# Allegro board 038RT-9068CJK8E-A100_0921.brd (continued)
## Placement (name value [footprint] x y rotation side) (continued)
UNK1R360  NC/898-1-S6-KOA  [R0603]  532.96 35.6 270 bottom
UNK1R361  NC/100-1-S6  [R0603]  532.96 32.17 270 bottom
UNK1R362  0-5-S6  [R0603]  530.42 43.81 90 bottom
UNK1R434  0-5-S4  [R0402]  434.22 216.86 0 bottom
UNK1R438  1K-1-S4  [R0402]  368.45 210.89 0 bottom
UNK1R439  1K-1-S4  [R0402]  360.56 213.04 180 bottom
UNK1R440  1K-1-S4  [R0402]  360.56 214.44 180 bottom
UNK1R441  1K-1-S4  [R0402]  368.45 209.48 0 bottom
UNK1R454  1K-1-S8  [R0805]  408.21 228.03 90 bottom
UNK1R455  1K-1-S8  [R0805]  406.18 228.03 90 bottom
UNK1R456  100K-1-S6  [R0603]  408.75 230.56 0 bottom
UNK1R470  1K-1-S4  [R0402]  618.58 214.77 0 bottom
UNK1R473  1K-1-S4  [R0402]  618.58 210.07 0 bottom
UNK1R474  1K-1-S4  [R0402]  618.58 213.37 0 bottom
UNK1R475  1K-1-S4  [R0402]  618.58 208.67 0 bottom
UNK1R498  1K-1-S8  [R0805]  414.82 228.03 90 bottom
UNK1R499  1K-1-S8  [R0805]  412.78 228.03 90 bottom
UNK1R500  100K-1-S6  [R0603]  415.35 230.56 0 bottom
UNK1R517  1K-1-S8  [R0805]  639.05 200.8 0 top
UNK1R518  1K-1-S8  [R0805]  639.05 202.84 0 top
UNK1R519  100K-1-S6  [R0603]  642.38 201.12 0 top
UNK1R536  1K-1-S8  [R0805]  639.05 196.16 0 top
UNK1R537  1K-1-S8  [R0805]  639.05 198.2 0 top
UNK1R538  100K-1-S6  [R0603]  642.38 196.48 0 top
UNK1R540  NC/120-1-S4  [R0402]  671.81 213.27 180 top
UNK1R541  NC/120-1-S4  [R0402]  678.81 213.27 0 top
UNK1R542  NC/120-1-S4  [R0402]  671.81 232.32 0 top
UNK1R543  NC/120-1-S4  [R0402]  678.81 232.32 0 top
UNK1R548  0-5-S4  [R0402]  574.17 41.41 0 top
UNK1R552  NC/10K-1-S4  [R0402]  580.88 232.42 90 bottom
UNK1R553  NC/0-5-S4  [R0402]  568.18 234.83 90 bottom
UNK1R554  NC/10K-1-S4  [R0402]  565.64 234.83 90 bottom
UNK1R555  NC/0-5-S4  [R0402]  579.61 232.42 90 bottom
UNK1R556  NC/0-5-S4  [R0402]  566.91 234.83 90 bottom
UNK1R557  NC/0-5-S4  [R0402]  559.29 234.83 90 bottom
UNK1R558  NC/0-5-S4  [R0402]  564.37 234.83 90 bottom
UNK1R559  NC/0-5-S4  [R0402]  563.1 234.83 90 bottom
UNK1R560  NC/0-5-S4  [R0402]  566.91 232.42 90 bottom
UNK1R561  NC/0-5-S4  [R0402]  568.18 232.42 90 bottom
UNK1R562  NC/0-5-S4  [R0402]  564.37 232.42 90 bottom
UNK1R563  NC/10K-1-S4  [R0402]  569.45 234.83 90 bottom
UNK1R564  NC/10K-1-S4  [R0402]  570.72 234.83 90 bottom
UNK1R565  NC/10K-1-S4  [R0402]  571.99 234.83 90 bottom
UNK1R566  NC/10K-1-S4  [R0402]  573.26 234.83 90 bottom
UNK1R567  NC/0-5-S4  [R0402]  560.56 234.83 90 bottom
UNK1R568  NC/10K-1-S4  [R0402]  592.31 232.42 270 bottom
UNK1R569  NC/10K-1-S4  [R0402]  589.77 232.42 270 bottom
UNK1R570  NC/10K-1-S4  [R0402]  587.23 232.42 270 bottom
UNK1R571  NC/10K-1-S4  [R0402]  591.04 232.42 270 bottom
UNK1R572  NC/10K-1-S4  [R0402]  582.15 232.42 270 bottom
UNK1R573  NC/10K-1-S4  [R0402]  565.64 232.42 270 bottom
UNK1R574  NC/10K-1-S4  [R0402]  573.26 232.42 270 bottom
UNK1R575  NC/10K-1-S4  [R0402]  571.99 232.42 270 bottom
UNK1R576  NC/10K-1-S4  [R0402]  570.72 232.42 270 bottom
UNK1R577  NC/10K-1-S4  [R0402]  569.45 232.42 270 bottom
UNK1R578  0-1-S4-YA  [R0402]  619.3 192.1 270 bottom
UNK1R579  0-1-S4-YA  [R0402]  620.57 192.1 270 bottom
UNK1R580  0-1-S4-YA  [R0402]  594.85 232.42 90 bottom
UNK1R581  0-1-S4-YA  [R0402]  597.39 234.83 90 bottom
UNK1R582  0-1-S4-YA  [R0402]  597.39 232.42 90 bottom
UNK1R583  0-1-S4-YA  [R0402]  596.12 234.83 90 bottom
UNK1R584  0-1-S4-YA  [R0402]  578.34 232.42 270 bottom
UNK1R586  0-5-S25  [R2512]  590.97 44.12 90 top
UNK1RB7  54.9K-1-S4  [R0402]  574.17 38.87 0 top
UNK1RB8  100K-1-S4  [R0402]  574.17 37.6 180 top
UNK1RD11  0-5-SB  [R1210]  363.19 58.23 180 top
UNK1RD21  0-5-SB  [R1210]  358.11 58.23 0 top
UNK1RD32  0-5-S8  [R0805]  390.38 202.71 90 bottom
UNK1RD42  0-5-S8  [R0805]  415.13 185.36 180 bottom
UNK1RD43  0-5-S8  [R0805]  411.09 181.7 180 bottom
UNK1RD62  0-5-S8  [R0805]  395.6 187.39 0 bottom
UNK1RD64  0-5-S8  [R0805]  395.6 185.36 180 bottom
UNK1RD72  0-5-S8  [R0805]  411.09 187.42 180 bottom
UNK1RD73  0-5-S6  [R0603]  436.09 203.99 0 bottom
UNK1RD74  0-5-S6  [R0603]  429.74 203.99 0 bottom
UNK1RD75  0-5-S6  [R0603]  436.09 198.91 0 bottom
UNK1RD76  0-5-S6  [R0603]  429.74 198.91 0 bottom
UNK1RD77  0-5-S6  [R0603]  436.09 206.53 0 bottom
UNK1RD78  0-5-S6  [R0603]  436.09 201.45 0 bottom
UNK1RD79  0-5-S6  [R0603]  565.51 52.49 270 bottom
UNK1RD80  0-5-S6  [R0603]  555.35 52.49 270 bottom
UNK1RD81  0-5-S6  [R0603]  344.46 221.13 180 bottom
UNK1RD82  0-5-S6  [R0603]  540.51 223.4 180 bottom
UNK1RD83  0-5-S6  [R0603]  540.51 224.93 180 bottom
UNK1RD84  0-5-S6  [R0603]  344.46 210.11 180 bottom
UNK1RD85  0-5-S6  [R0603]  344.46 224.33 180 bottom
UNK1RD86  0-5-S6  [R0603]  344.46 217.91 180 bottom
UNK1RD87  0-5-S6  [R0603]  432.91 203.99 0 bottom
UNK1RD88  0-5-S6  [R0603]  429.74 201.45 0 bottom
UNK1RD89  0-5-S6  [R0603]  432.91 198.91 0 bottom
UNK1RD90  0-5-S6  [R0603]  429.74 209.07 0 bottom
UNK1RD92  0-5-S6  [R0603]  432.91 201.45 0 bottom
UNK1RD95  0-5-S6  [R0603]  432.91 206.53 0 bottom
UNK1RD96  0-5-S6  [R0603]  436.09 209.07 0 bottom
UNK1RD97  0-5-S6  [R0603]  432.91 209.07 180 bottom
UNK1RD98  0-5-S6  [R0603]  344.46 227.46 180 bottom
UNK1RD99  0-5-S6  [R0603]  344.46 230.66 180 bottom
UNK1RD100  0-5-S6  [R0603]  429.74 206.53 0 bottom
UNK1RD101  0-5-S6  [R0603]  344.46 213.31 180 bottom
UNK1RD178  0-5-S6  [R0603]  344.46 206.2 180 bottom
UNK1RD179  0-5-S6  [R0603]  344.46 203 180 bottom
UNK1RD180  NC/0-5-S6  [R0603]  560.21 229.1 0 bottom
UNK1RD181  NC/0-5-S6  [R0603]  560.21 227.58 0 bottom
UNK1RG1  0-5-SB  [R1210]  631.81 208.61 90 top
UNK1RG21  0-5-S4  [R0402]  561.83 234.83 90 bottom
UNK1RG22  0-5-S4  [R0402]  563.1 232.42 90 bottom
UNK1RG32  0-5-S8  [R0805]  594.49 221.65 0 bottom
UNK1RG42  0-5-S8  [R0805]  579.2 196.39 90 bottom
UNK1RG64  0-5-S8  [R0805]  577.13 215.41 90 bottom
UNK1RG72  0-5-S8  [R0805]  579.2 200.42 90 bottom
UNK1RG73  0-5-S6  [R0603]  627.43 191.66 0 bottom
UNK1RG74  0-5-S6  [R0603]  627.43 189.76 0 bottom
UNK1RG75  0-5-S6  [R0603]  627.43 185.95 0 bottom
UNK1RG76  0-5-S6  [R0603]  627.43 184.04 0 bottom
UNK1RG77  0-5-S6  [R0603]  627.43 193.59 0 bottom
UNK1RG78  0-5-S6  [R0603]  627.43 187.85 0 bottom
UNK1RH13  4.7K-1-S6  [R0603]  394.3 49.97 270 bottom
UNK1RH23  4.7K-1-S6  [R0603]  456.31 49.97 270 bottom
UNK1RH112  0-5-S4  [R0402]  388.93 47.24 270 bottom
UNK1RH113  10K-1-S6  [R0603]  387.53 44.7 270 bottom
UNK1RH114  10K-1-S6  [R0603]  386.01 44.7 270 bottom
UNK1RH116  0-5-SB  [R1210]  420.56 44.29 270 bottom
UNK1RH118  NC/0-5-S4  [R0402]  398.96 26.42 90 bottom
UNK1RH119  NC/0-5-S4  [R0402]  400.23 26.42 90 bottom
UNK1RH121  47K-1-S4  [R0402]  372.03 47.76 0 top
UNK1RH122  47K-1-S4  [R0402]  373.8 20.59 90 top
UNK1RH123  NC/0-5-S4  [R0402]  401.5 26.42 90 bottom
UNK1RH129  NC/0-5-S4  [R0402]  403.56 37.72 90 bottom
UNK1RH130  0-5-S4  [R0402]  408.96 31.47 270 bottom
UNK1RH132  0-5-S4  [R0402]  410.23 31.47 270 bottom
UNK1RH151  0-5-S4  [R0402]  394.01 47.24 270 bottom
UNK1RH152  NC/0-5-S4  [R0402]  371.26 17.53 270 bottom
UNK1RH161  0-5-S4  [R0402]  394.01 44.7 270 bottom
UNK1RH162  NC/0-5-S4  [R0402]  373.8 17.53 270 bottom
UNK1RH171  4.7K-1-S6  [R0603]  392.74 47.24 270 bottom
UNK1RH172  NC/0-5-S4  [R0402]  392.74 44.7 270 bottom
UNK1RH181  0-5-S4  [R0402]  391.47 47.24 270 bottom
UNK1RH182  NC/0-5-S4  [R0402]  376.34 17.53 270 bottom
UNK1RH191  0-5-S4  [R0402]  391.47 44.7 270 bottom
UNK1RH192  NC/0-5-S4  [R0402]  378.88 17.53 90 bottom
UNK1RH212  0-5-S4  [R0402]  450.94 47.24 270 bottom
UNK1RH213  10K-1-S6  [R0603]  449.54 44.7 270 bottom
UNK1RH214  10K-1-S6  [R0603]  448.02 44.7 270 bottom
UNK1RH216  0-5-SB  [R1210]  482.57 44.29 270 bottom
UNK1RH218  NC/0-5-S4  [R0402]  460.97 26.42 90 bottom
UNK1RH219  NC/0-5-S4  [R0402]  462.24 26.42 90 bottom
UNK1RH221  47K-1-S4  [R0402]  434.04 47.76 0 top
UNK1RH222  47K-1-S4  [R0402]  435.81 20.59 90 top
UNK1RH223  NC/0-5-S4  [R0402]  463.51 26.42 90 bottom
UNK1RH229  NC/0-5-S4  [R0402]  465.57 37.72 90 bottom
UNK1RH230  0-5-S4  [R0402]  470.97 31.47 270 bottom
UNK1RH232  0-5-S4  [R0402]  472.24 31.47 270 bottom
UNK1RH251  0-5-S4  [R0402]  456.02 47.24 270 bottom
UNK1RH252  NC/0-5-S4  [R0402]  429.46 17.53 270 bottom
UNK1RH261  0-5-S4  [R0402]  456.02 44.7 270 bottom
UNK1RH262  NC/0-5-S4  [R0402]  432 17.53 270 bottom
UNK1RH271  4.7K-1-S6  [R0603]  454.75 47.24 270 bottom
UNK1RH272  NC/0-5-S4  [R0402]  454.75 44.7 270 bottom
UNK1RH281  0-5-S4  [R0402]  453.48 47.24 270 bottom
UNK1RH282  NC/0-5-S4  [R0402]  434.54 17.53 270 bottom
UNK1RH291  0-5-S4  [R0402]  453.48 44.7 270 bottom
UNK1RH292  NC/0-5-S4  [R0402]  437.08 17.53 90 bottom
UNK1RH1101  NC/0-5-S4  [R0402]  390.2 44.7 270 bottom
UNK1RH1102  0-5-S4  [R0402]  388.93 44.7 270 bottom
UNK1RH1103  10K-1-S6  [R0603]  390.2 47.24 270 bottom
UNK1RH1104  NC/0-5-S4  [R0402]  381.42 17.53 90 bottom
UNK1RH1182  NC/0-5-S4  [R0402]  404.28 17.53 90 bottom
UNK1RH1192  NC/0-5-S4  [R0402]  406.82 17.53 90 bottom
UNK1RH1232  NC/0-5-S4  [R0402]  409.36 17.53 90 bottom
UNK1RH1241  NC/0-5-S4  [R0402]  402.77 26.42 90 bottom
UNK1RH1242  47K-1-S4  [R0402]  374.3 47.76 0 top
UNK1RH1243  NC/0-5-S4  [R0402]  411.9 17.53 90 bottom
UNK1RH1261  10K-1-S6  [R0603]  404.04 23.88 270 bottom
UNK1RH1262  0-5-S4  [R0402]  404.04 26.42 270 bottom
UNK1RH1263  NC/0-5-S4  [R0402]  414.44 17.53 90 bottom
UNK1RH1271  10K-1-S6  [R0603]  405.56 23.88 270 bottom
UNK1RH1272  0-5-S4  [R0402]  405.56 26.42 270 bottom
UNK1RH1273  NC/0-5-S4  [R0402]  416.98 17.53 90 bottom
UNK1RH1281  10K-1-S6  [R0603]  407.09 23.88 270 bottom
UNK1RH1282  0-5-S4  [R0402]  407.09 26.42 270 bottom
UNK1RH1283  NC/0-5-S4  [R0402]  391.58 17.53 90 bottom
UNK1RH1511  12K-1-S4  [R0402]  407.49 44.18 180 bottom
UNK1RH2101  NC/0-5-S4  [R0402]  452.21 44.7 270 bottom
UNK1RH2102  0-5-S4  [R0402]  450.94 44.7 270 bottom
UNK1RH2103  10K-1-S6  [R0603]  452.21 47.24 270 bottom
UNK1RH2104  NC/0-5-S4  [R0402]  439.62 17.53 90 bottom
UNK1RH2182  NC/0-5-S4  [R0402]  466.29 17.53 90 bottom
UNK1RH2192  NC/0-5-S4  [R0402]  468.83 17.53 90 bottom
UNK1RH2232  NC/0-5-S4  [R0402]  471.37 17.53 90 bottom
UNK1RH2241  NC/0-5-S4  [R0402]  464.78 26.42 90 bottom
UNK1RH2242  47K-1-S4  [R0402]  436.31 47.76 0 top
UNK1RH2243  NC/0-5-S4  [R0402]  473.91 17.53 90 bottom
UNK1RH2261  10K-1-S6  [R0603]  466.05 23.88 270 bottom
UNK1RH2262  0-5-S4  [R0402]  466.05 26.42 270 bottom
UNK1RH2263  NC/0-5-S4  [R0402]  476.45 17.53 90 bottom
UNK1RH2271  10K-1-S6  [R0603]  467.57 23.88 270 bottom
UNK1RH2272  0-5-S4  [R0402]  467.57 26.42 270 bottom
UNK1RH2273  NC/0-5-S4  [R0402]  478.99 17.53 90 bottom
UNK1RH2281  10K-1-S6  [R0603]  469.1 23.88 270 bottom
UNK1RH2282  0-5-S4  [R0402]  469.1 26.42 270 bottom
UNK1RH2283  NC/0-5-S4  [R0402]  453.59 17.53 90 bottom
UNK1RH2511  12K-1-S4  [R0402]  469.49 44.18 180 bottom
UNK1RHPC1  0-5-S25  [R2512]  425.71 26.59 90 bottom
UNK1RL15  NC/3.9K-1-S4  [R0402]  665.59 229.49 90 bottom
UNK1RL16  10K-1-S4  [R0402]  666.73 227.46 270 bottom
UNK1RL18  10K-1-S4  [R0402]  640.24 222.97 90 bottom
UNK1RL21  10K-1-S4  [R0402]  546.21 191.66 180 bottom
UNK1RL38  NC/3.9K-1-S4  [R0402]  549.58 214.05 180 bottom
UNK1RL39  10K-1-S4  [R0402]  549.08 207.57 90 bottom
UNK1RL42  10K-1-S4  [R0402]  437.56 192.76 225 bottom
UNK1RL44  10K-1-S4  [R0402]  460.46 193.12 180 bottom
UNK1RR400  0-5-S6  [R0603]  493.23 229.61 180 bottom
UNK1RR401  0-5-S6  [R0603]  508.99 231.14 180 bottom
UNK1RR402  0-5-S6  [R0603]  524.75 218.72 180 bottom
UNK1RR403  0-5-S6  [R0603]  508.99 218.72 180 bottom
UNK1RR404  0-5-S6  [R0603]  508.99 229.61 180 bottom
UNK1RR405  0-5-S6  [R0603]  493.23 231.14 180 bottom
UNK1RR406  0-5-S6  [R0603]  508.99 217.19 180 bottom
UNK1RR407  0-5-S6  [R0603]  508.99 223.4 180 bottom
UNK1RR408  0-5-S6  [R0603]  524.75 231.14 180 bottom
UNK1RR409  0-5-S6  [R0603]  524.75 229.61 180 bottom
UNK1RR410  0-5-S6  [R0603]  524.75 224.93 180 bottom
UNK1RR411  0-5-S6  [R0603]  524.75 223.4 180 bottom
UNK1RR412  0-5-S6  [R0603]  508.99 224.93 180 bottom
UNK1RR413  0-5-S6  [R0603]  524.75 217.19 180 bottom
UNK1RR500  0-1-S2-YA  [R0201]  592.43 182.31 90 bottom
UNK1RR501  0-1-S2-YA  [R0201]  590.4 182.31 90 bottom
UNK1RR502  0-1-S2-YA  [R0201]  594.46 182.31 90 bottom
UNK1RR503  0-1-S2-YA  [R0201]  596.49 182.31 90 bottom
UNK1RR504  0-1-S2-YA  [R0201]  586.33 182.31 90 bottom
UNK1RR505  0-1-S2-YA  [R0201]  588.37 182.31 90 bottom
UNK1RR510  0-1-S2-YA  [R0201]  592.43 181.1 270 bottom
UNK1RR511  0-1-S2-YA  [R0201]  590.4 181.1 270 bottom
UNK1RR512  0-1-S2-YA  [R0201]  594.46 181.1 270 bottom
UNK1RR513  0-1-S2-YA  [R0201]  596.49 181.1 270 bottom
UNK1RR514  0-1-S2-YA  [R0201]  586.33 181.1 270 bottom
UNK1RR515  0-1-S2-YA  [R0201]  588.37 181.1 270 bottom
UNK1RR520  0-1-S2-YA  [R0201]  440.62 220.64 0 bottom
UNK1RR521  0-1-S2-YA  [R0201]  436.81 224.7 0 bottom
UNK1RR522  0-1-S2-YA  [R0201]  440.62 218.61 0 bottom
UNK1RR523  0-1-S2-YA  [R0201]  436.81 222.67 0 bottom
UNK1RR524  0-1-S2-YA  [R0201]  440.62 224.7 0 bottom
UNK1RR525  0-1-S2-YA  [R0201]  440.62 226.73 0 bottom
UNK1RR530  0-1-S2-YA  [R0201]  439.41 220.64 180 bottom
UNK1RR531  0-1-S2-YA  [R0201]  435.6 224.7 180 bottom
UNK1RR532  0-1-S2-YA  [R0201]  439.41 218.61 180 bottom
UNK1RR533  0-1-S2-YA  [R0201]  435.6 222.67 180 bottom
UNK1RR534  0-1-S2-YA  [R0201]  439.41 224.7 180 bottom
UNK1RR535  0-1-S2-YA  [R0201]  439.41 226.73 180 bottom
UNK1RR900  0-1-S2-YA  [R0201]  602.59 182.31 90 bottom
UNK1RR901  0-1-S2-YA  [R0201]  600.56 182.31 90 bottom
UNK1RR902  0-1-S2-YA  [R0201]  584.3 182.31 90 bottom
UNK1RR903  0-1-S2-YA  [R0201]  598.53 182.31 90 bottom
UNK1RR904  0-1-S2-YA  [R0201]  606.65 182.31 90 bottom
UNK1RR905  0-1-S2-YA  [R0201]  604.62 182.31 90 bottom
UNK1RR910  0-1-S2-YA  [R0201]  602.59 181.1 270 bottom
UNK1RR911  0-1-S2-YA  [R0201]  600.56 181.1 270 bottom
UNK1RR912  0-1-S2-YA  [R0201]  584.3 181.1 270 bottom
UNK1RR913  0-1-S2-YA  [R0201]  598.53 181.1 270 bottom
UNK1RR914  0-1-S2-YA  [R0201]  606.65 181.1 270 bottom
UNK1RR915  0-1-S2-YA  [R0201]  604.62 181.1 270 bottom
UNK1RR920  0-1-S2-YA  [R0201]  574.97 192.56 90 bottom
UNK1RR921  0-1-S2-YA  [R0201]  436.81 220.64 0 bottom
UNK1RR922  0-1-S2-YA  [R0201]  436.81 218.61 0 bottom
UNK1RR923  0-1-S2-YA  [R0201]  436.81 228.77 0 bottom
UNK1RR924  0-1-S2-YA  [R0201]  436.81 226.73 0 bottom
UNK1RR925  0-1-S2-YA  [R0201]  440.62 222.67 0 bottom
UNK1RR930  0-1-S2-YA  [R0201]  574.97 191.35 270 bottom
UNK1RR931  0-1-S2-YA  [R0201]  435.6 220.64 180 bottom
UNK1RR932  0-1-S2-YA  [R0201]  435.6 218.61 180 bottom
UNK1RR933  0-1-S2-YA  [R0201]  435.6 228.77 180 bottom
UNK1RR934  0-1-S2-YA  [R0201]  435.6 226.73 180 bottom
UNK1RR935  0-1-S2-YA  [R0201]  439.41 222.67 180 bottom
UNK1RRG49  10K-1-S4  [R0402]  596.12 232.42 90 bottom
UNK1RRG51  10K-1-S4  [R0402]  541.08 198.54 270 bottom
UNK1RRG52  NC/10K-1-S4  [R0402]  539.94 198.54 270 bottom
UNK1RRG53  10K-1-S4  [R0402]  541.08 200.83 90 bottom
UNK1RRG54  NC/10K-1-S4  [R0402]  539.94 200.83 90 bottom
UNK1RRG55  NC/10K-1-S4  [R0402]  541.08 204.89 270 bottom
UNK1RRG56  10K-1-S4  [R0402]  539.94 204.89 270 bottom
UNK1RRG57  NC/10K-1-S4  [R0402]  541.08 207.18 90 bottom
UNK1RRG58  10K-1-S4  [R0402]  539.94 207.18 90 bottom
UNK1RRG59  10K-1-S4  [R0402]  588 177.18 180 top
UNK1RRG91  10K-1-S4  [R0402]  541.08 185.84 270 bottom
UNK1RRG92  NC/10K-1-S4  [R0402]  539.94 185.84 270 bottom
UNK1RRG93  NC/10K-1-S4  [R0402]  541.08 188.13 90 bottom
UNK1RRG94  10K-1-S4  [R0402]  539.94 188.13 90 bottom
UNK1RRG95  NC/10K-1-S4  [R0402]  541.08 192.19 270 bottom
UNK1RRG96  10K-1-S4  [R0402]  539.94 192.19 270 bottom
UNK1RS5  NC/0-5-S4  [R0402]  384.34 209.36 90 bottom
UNK1RS6  100K-1-S4  [R0402]  576.39 36.33 180 top
UNK1RS7  0-5-SB  [R1210]  580.84 42.68 270 top
UNK1RS9  0-5-SB  [R1210]  580.2 35.06 180 top
UNK1RS11  NC/0-5-S4  [R0402]  420.57 182.4 90 bottom
UNK1RS104  10K-1-S4  [R0402]  440.57 47.76 180 bottom
UNK1RS114  10K-1-S4  [R0402]  438.44 47.76 0 bottom
UNK1RSG104  10K-1-S4  [R0402]  559.29 232.42 90 bottom
UNK1RSG105  10K-1-S4  [R0402]  577.07 234.83 90 bottom
UNK1RSG114  10K-1-S4  [R0402]  560.56 232.42 90 bottom
UNK1RSG115  10K-1-S4  [R0402]  577.07 232.42 270 bottom
UNK1RU11  4.7K-1-S4-WA  [R0402]  666.73 229.49 270 bottom
UNK1RU12  0-1-S4-YA  [R0402]  666.73 223.9 270 bottom
UNK1SPIH11  MX25L3233FM2I-08G-C-SO8/SK-SO8-1.27  [SK_SO8_1P27MM_LOTES]  373.17 34.42 180 top
UNK1SPIH21  MX25L3233FM2I-08G-C-SO8/SK-SO8-1.27  [SK_SO8_1P27MM_LOTES]  435.18 34.42 180 top
UNK1ST01  SHORT  [DEFAULT_SHORT_SMALL]  422.59 32.9 270 bottom
UNK1ST1  SHORT  [DEFAULT_SHORT_SMALL]  408.82 182.04 270 bottom
UNK1ST2  SHORT  [DEFAULT_SHORT_SMALL]  362.92 38.96 0 top
UNK1ST3  SHORT  [DEFAULT_SHORT_SMALL]  414.11 193.2 0 bottom
UNK1ST5  SHORT  [DEFAULT_SHORT_SMALL]  387.57 208.86 180 bottom
UNK1ST6  SHORT  [DEFAULT_SHORT_SMALL]  398.7 182.25 270 bottom
UNK1STB00  SHORT  [DEFAULT_SHORT_SMALL]  420.18 143.62 90 top
UNK1STB64  SHORT  [DEFAULT_SHORT_SMALL]  420.18 335.55 90 top
UNK1STG01  SHORT  [DEFAULT_SHORT_SMALL]  423.86 32.9 270 bottom
UNK1STG1  SHORT  [DEFAULT_SHORT_SMALL]  407.98 182.02 270 bottom
UNK1STG2  SHORT  [DEFAULT_SHORT_SMALL]  362.94 40.03 0 top
UNK1STG3  SHORT  [DEFAULT_SHORT_SMALL]  414.11 194.22 0 bottom
UNK1STG5  SHORT  [DEFAULT_SHORT_SMALL]  387.57 209.62 180 bottom
UNK1STG6  SHORT  [DEFAULT_SHORT_SMALL]  397.86 182.22 270 bottom
UNK1SWR1  SY8003EDFC-3A-A-DFN2X2-8  [DFN2X2_8P_1P9X0P5MM_EP]  576.71 39.18 0 top
UNK1T2  ACT1210L-201-2P-TL00  [FILTER_4P_9075AA]  625.78 220.13 180 top
UNK1T3  ACT1210L-201-2P-TL00  [FILTER_4P_9075AA]  625.78 225.34 180 top
UNK1T7  ACT1210L-201-2P-TL00  [FILTER_4P_9075AA]  368.28 206.12 0 bottom
UNK1T8  ACT1210L-201-2P-TL00  [FILTER_4P_9075AA]  360.73 202.57 180 bottom
UNK1T12  7490100161A  [TRANS_7490100161A_16P]  636.62 133.43 0 top
UNK1T13  7490100161A  [TRANS_7490100161A_16P]  636.62 113.89 0 top
UNK1T15  ACT1210L-201-2P-TL00  [FILTER_4P_9075AA]  360.73 210.19 180 bottom
UNK1T17  ACT1210L-201-2P-TL00  [FILTER_4P_9075AA]  368.28 213.74 0 bottom
UNK1T18  ACT1210G-800-2P-TL05  [FILTER_4P_9075AA]  407.19 219.69 270 bottom
UNK1T20  ACT1210L-201-2P-TL00  [FILTER_4P_9075AA]  610.98 209.42 180 bottom
UNK1T21  ACT1210L-201-2P-TL00  [FILTER_4P_9075AA]  610.98 214.12 180 bottom
UNK1T23  ACT1210G-800-2P-TL05  [FILTER_4P_9075AA]  413.8 219.69 270 bottom
UNK1T24  ACT1210G-800-2P-TL05  [FILTER_4P_9075AA]  630.71 201.82 180 top
UNK1T25  ACT1210G-800-2P-TL05  [FILTER_4P_9075AA]  630.71 197.18 180 top
UNK1U6  CU/PI2LVD512AE-TSSOP64  [TSOP64_280X05MM]  655.18 41.78 180 bottom
UNK1U17  CU/PI2LVD512AE-TSSOP64  [TSOP64_280X05MM]  665.65 114.81 0 bottom
UNK1U18  CU/PI2LVD512AE-TSSOP64  [TSOP64_280X05MM]  665.65 95.76 0 bottom
UNK1Y6  XTAL25M-S2520-AKER-20P  [XTAL_2X2P5MM_4P_NDK]  605.52 191.43 180 bottom
UNK1Y7  XTAL25M-S2520-AKER-20P  [XTAL_2X2P5MM_4P_NDK]  441.06 213.18 270 bottom
UNK1YH11  XTAL25M-S2520-AKER-20P  [XTAL_2X2P5MM_4P_NDK]  408.41 49.53 0 bottom
UNK1YH21  XTAL25M-S2520-AKER-20P  [XTAL_2X2P5MM_4P_NDK]  470.42 49.53 0 bottom
UNK2BD1  BD80-5A-S8-LA  [FB0805]  285.49 248.87 180 bottom
UNK2BD2  BD80-5A-S8-LA  [FB0805]  280.93 247.39 0 bottom
UNK2BD5  BD80-5A-S8-LA  [FB0805]  270.38 266.52 270 bottom
UNK2BD8  BD80-5A-S8-LA  [FB0805]  270.38 274.39 270 bottom
UNK2BD9  BD80-5A-S8-LA  [FB0805]  302.5 262.69 90 bottom
UNK2BD10  BD80-5A-S8-LA  [FB0805]  302.5 266.62 270 bottom
UNK2BD15  BD220-3A-S8  [FB0805]  231 278.76 180 bottom
UNK2BD16  BD220-3A-S8  [FB0805]  266.38 242.24 180 bottom
UNK2BD17  BD220-3A-S8  [FB0805]  303.72 242.24 180 bottom
UNK2BD18  BD220-3A-S8  [FB0805]  311.16 281.81 180 bottom
UNK2BD19  BD80-5A-S8-LA  [FB0805]  285.49 246.33 180 bottom
UNK2BD20  BD80-5A-S8-LA  [FB0805]  285.49 243.79 180 bottom
UNK2BDG1  BD80-5A-S8-LA  [FB0805]  109.94 267.3 270 bottom
UNK2BDG2  BD80-5A-S8-LA  [FB0805]  111.43 262.11 90 bottom
UNK2BDG5  BD80-5A-S8-LA  [FB0805]  92.3 250.79 0 bottom
UNK2BDG8  BD80-5A-S8-LA  [FB0805]  84.42 250.79 0 bottom
UNK2BDG9  BD80-5A-S8-LA  [FB0805]  96.42 283.42 180 bottom
UNK2BDG10  BD80-5A-S8-LA  [FB0805]  92.48 283.42 0 bottom
UNK2BDG15  BD220-3A-S8  [FB0805]  72.88 239.45 180 bottom
UNK2BDG16  BD220-3A-S8  [FB0805]  72.83 294.45 180 bottom
UNK2BDG17  BD220-3A-S8  [FB0805]  137.17 289.89 0 bottom
UNK2BDG18  BD220-3A-S8  [FB0805]  116.9 244.99 90 bottom
UNK2BDG19  BD80-5A-S8-LA  [FB0805]  112.48 267.3 270 bottom
UNK2BDG20  BD80-5A-S8-LA  [FB0805]  115.02 267.3 270 bottom
UNK2BDH11  BD80-5A-S8-LA  [FB0805]  213.51 269.48 0 bottom
UNK2BDH12  BD80-5A-S8-LA  [FB0805]  213.51 266.68 0 bottom
UNK2BDH13  BD80-5A-S8-LA  [FB0805]  252.05 256.55 180 bottom
UNK2BDH14  BD80-5A-S8-LA  [FB0805]  261.93 242.24 180 bottom
UNK2BDH21  BD80-5A-S8-LA  [FB0805]  262.66 418.8 90 bottom
UNK2BDH22  BD80-5A-S8-LA  [FB0805]  262.66 424 270 bottom
UNK2BDH23  BD80-5A-S8-LA  [FB0805]  200.69 418.8 90 bottom
UNK2BDH24  BD80-5A-S8-LA  [FB0805]  200.69 424 270 bottom
UNK2C13  47U-35-Y-S6.1X5.3-MU  [CKRM55WR7YA476MH01]  131.48 443.72 270 top
UNK2C18  10U-16-X7R-S8-SS  [C0805]  137.91 442.75 180 top
UNK2C19  0.1U-16-X7R-S4-TY  [C0402]  138.36 444.97 180 top
UNK2C75  18P-50-N-S4-SS  [C0402]  85.84 278.98 180 bottom
UNK2C76  18P-50-N-S4-SS  [C0402]  83.81 278.98 0 bottom
UNK2C78  0.1U-100-X-S8  [C0805]  124.4 430.28 180 top
UNK2C79  NC/10U-100-Y-S6.1X5.3-MU  [CKRM55TR72A106MH01]  122.49 435.36 180 top
UNK2C119  1000P-2K-X-SA  [C1206]  49.55 331.63 90 top
UNK2C144  10U-16-X7R-S8-SS  [C0805]  42.66 280.4 180 bottom
UNK2C145  10U-16-X7R-S8-SS  [C0805]  30.08 287.29 0 bottom
UNK2C168  18P-50-N-S4-SS  [C0402]  319.03 274.33 90 bottom
UNK2C169  18P-50-N-S4-SS  [C0402]  319.03 272.13 270 bottom
UNK2C171  0.01U-50-X7R-S4-YA  [C0402]  57.8 363.87 90 top
UNK2C172  1000P-2K-X-SA  [C1206]  49.51 351.17 90 top
UNK2C173  10U-16-X7R-S8-SS  [C0805]  30.34 141.61 0 bottom
UNK2C174  0.1U-16-X7R-S4-TY  [C0402]  22.08 139.06 270 bottom
UNK2C175  0.01U-50-X7R-S4-YA  [C0402]  20.81 139.06 270 bottom
UNK2C176  1000P-50-N-S4-SS  [C0402]  22.08 167.32 270 bottom
UNK2C177  0.01U-50-X7R-S4-YA  [C0402]  19.54 167.32 270 bottom
UNK2C178  0.1U-16-X7R-S4-TY  [C0402]  20.81 167.32 270 bottom
UNK2C179  0.1U-50-X-S6  [C0603]  59.78 251.67 180 top
UNK2C180  0.1U-50-X-S6  [C0603]  59.78 253.07 180 top
UNK2C181  4700P-50-X7R-S4-YA  [C0402]  57.22 254.34 0 top
UNK2C182  4700P-50-X7R-S4-YA  [C0402]  57.22 250.4 0 top
UNK2C183  0.1U-50-X-S6  [C0603]  59.78 246.46 180 top
UNK2C184  0.1U-50-X-S6  [C0603]  59.78 247.86 180 top
UNK2C185  10U-16-X7R-S8-SS  [C0805]  137.02 274.03 0 bottom
UNK2C194  4700P-50-X7R-S4-YA  [C0402]  238.41 266.82 180 bottom
UNK2C195  0.1U-50-X-S6  [C0603]  243.12 266.82 180 bottom
UNK2C196  0.1U-50-X-S6  [C0603]  243.12 265.42 180 bottom
UNK2C197  4700P-50-X7R-S4-YA  [C0402]  250.6 261.86 0 bottom
UNK2C198  0.1U-50-X-S6  [C0603]  245.89 261.86 0 bottom
UNK2C199  0.1U-50-X-S6  [C0603]  245.89 263.26 0 bottom
UNK2C209  10U-16-X7R-S8-SS  [C0805]  21.13 319.47 270 bottom
UNK2C213  10U-16-X7R-S8-SS  [C0805]  251.27 242.08 0 bottom
UNK2C214  10U-16-X7R-S8-SS  [C0805]  229.05 242.08 0 bottom
UNK2C217  10U-16-X7R-S8-SS  [C0805]  137.02 257.88 0 bottom
UNK2C220  10U-16-X7R-S8-SS  [C0805]  21.13 360.74 90 bottom
UNK2C292  100U-35-E-S6.3X7.7-NI  [EC_6P3X7P7MM_S]  147.55 444.95 90 top
UNK2C319  0.01U-50-X7R-S4-YA  [C0402]  22.08 171.45 270 bottom
UNK2C320  0.1U-16-X7R-S4-TY  [C0402]  20.81 171.45 270 bottom
UNK2C321  1000P-50-N-S4-SS  [C0402]  19.54 199.71 270 bottom
UNK2C322  0.01U-50-X7R-S4-YA  [C0402]  22.08 199.71 270 bottom
UNK2C323  0.1U-16-X7R-S4-TY  [C0402]  20.81 199.71 270 bottom
UNK2C324  0.01U-50-X7R-S4-YA  [C0402]  57.8 344.33 90 top
UNK2C325  NC/100U-100-E-S17.2X17.2-PAN  [ECS_19P1X19P1MM]  30.86 409.42 270 top
UNK2C375  4700P-50-X7R-S4-YA  [C0402]  250.6 269.48 0 bottom
UNK2C376  0.1U-50-X-S6  [C0603]  245.89 269.48 0 bottom
UNK2C377  0.1U-50-X-S6  [C0603]  245.89 270.88 0 bottom
UNK2C379  4700P-50-X7R-S4-YA  [C0402]  238.41 274.44 180 bottom
UNK2C381  0.1U-50-X-S6  [C0603]  243.12 273.04 180 bottom
UNK2C383  0.1U-50-X-S6  [C0603]  243.12 274.44 180 bottom
UNK2C384  0.1U-50-X-S6  [C0603]  286.49 284.71 90 bottom
UNK2C385  0.1U-50-X-S6  [C0603]  287.9 284.71 90 bottom
UNK2C391  4700P-50-X-S6  [C0603]  285.64 290.56 180 bottom
UNK2C399  4700P-50-X7R-S4-YA  [C0402]  72.02 265.04 0 bottom
UNK2C401  0.1U-50-X-S6  [C0603]  74.57 259.07 180 bottom
UNK2C402  0.1U-50-X-S6  [C0603]  74.57 262.37 180 bottom
UNK2C405  0.1U-50-X-S6  [C0603]  74.57 257.67 180 bottom
UNK2C406  4700P-50-X7R-S4-YA  [C0402]  72.02 260.34 0 bottom
UNK2C407  0.1U-50-X-S6  [C0603]  74.57 263.77 180 bottom
UNK2C412  0.1U-50-X-S6  [C0603]  293.1 284.71 90 bottom
UNK2C413  0.1U-50-X-S6  [C0603]  294.5 284.71 90 bottom
UNK2C418  4700P-50-X-S6  [C0603]  292.25 290.56 180 bottom
UNK2C421  0.1U-50-X-S6  [C0603]  54.86 269.92 180 top
UNK2C422  0.1U-50-X-S6  [C0603]  54.86 271.32 180 top
UNK2C427  4700P-50-X-S6  [C0603]  48.22 269.92 180 top
UNK2C430  0.1U-50-X-S6  [C0603]  54.86 274.56 180 top
UNK2C431  0.1U-50-X-S6  [C0603]  54.86 275.96 180 top
UNK2C436  4700P-50-X-S6  [C0603]  48.22 274.56 180 top
UNK2C439  NC/4.7P-50-N-S4-MU  [C0402]  21.06 294.73 0 top
UNK2C440  NC/4.7P-50-N-S4-MU  [C0402]  14.06 294.73 0 top